# KiCad board poly_kb_wave_left2.kicad_pcb (continued)
## Placement (name value [footprint] x y rotation side) (continued)
kibuzzard-639C35A2  G***  [kibuzzard-639C35A2]  23.09 67.09 180 bottom
kibuzzard-639C35AF  G***  [kibuzzard-639C35AF]  47.09 66.97 180 bottom
kibuzzard-639C35B8  G***  [kibuzzard-639C35B8]  66.09 69.25 180 bottom
kibuzzard-639C35C3  G***  [kibuzzard-639C35C3]  85.09 71.7 180 bottom
kibuzzard-639C35CB  G***  [kibuzzard-639C35CB]  104.09 69.38 180 bottom
kibuzzard-639C35DA  G***  [kibuzzard-639C35DA]  123.09 66.84 180 bottom
kibuzzard-639C35E7  G***  [kibuzzard-639C35E7]  142.09 67.2 180 bottom
kibuzzard-639C35FE  G***  [kibuzzard-639C35FE]  28.09 28.7 180 bottom
kibuzzard-639C36A9  G***  [kibuzzard-639C36A9]  157.09 13.7 180 bottom
kibuzzard-639C36B3  G***  [kibuzzard-639C36B3]  162.75 28.99 180 bottom
kibuzzard-639C39A5  G***  [kibuzzard-639C39A5]  3.51 45.17 163 bottom
kibuzzard-639C294B  G***  [kibuzzard-639C294B]  154.01 92.06 163 bottom
kibuzzard-639C352E  G***  [kibuzzard-639C352E]  123.09 105.19 180 bottom
kibuzzard-639C353A  G***  [kibuzzard-639C353A]  142.09 105.2 180 bottom
kibuzzard-639C355D  G***  [kibuzzard-639C355D]  66.09 88.2 180 bottom
kibuzzard-639C357F  G***  [kibuzzard-639C357F]  104.09 88.43 180 bottom
kibuzzard-639C358A  G***  [kibuzzard-639C358A]  123.09 86.14 180 bottom
kibuzzard-639C360B  G***  [kibuzzard-639C360B]  23.09 47.7 180 bottom
kibuzzard-639C361C  G***  [kibuzzard-639C361C]  47.09 47.7 180 bottom
kibuzzard-639C362D  G***  [kibuzzard-639C362D]  85.09 52.7 180 bottom
kibuzzard-639C368F  G***  [kibuzzard-639C368F]  115.59 23.7 180 bottom
kibuzzard-639C369E  G***  [kibuzzard-639C369E]  137.09 19.7 180 bottom
kibuzzard-639C2997  G***  [kibuzzard-639C2997]  3.87 65.38 163 bottom
kibuzzard-639C3508  G***  [kibuzzard-639C3508]  66.09 107.48 180 bottom
kibuzzard-639C3514  G***  [kibuzzard-639C3514]  85.09 109.89 180 bottom
kibuzzard-639C3522  G***  [kibuzzard-639C3522]  104.09 107.2 180 bottom
kibuzzard-639C3548  G***  [kibuzzard-639C3548]  23.09 86.14 180 bottom
kibuzzard-639C3550  G***  [kibuzzard-639C3550]  47.09 86.02 180 bottom
kibuzzard-639C3575  G***  [kibuzzard-639C3575]  85.09 90.72 180 bottom
kibuzzard-639C3594  G***  [kibuzzard-639C3594]  142.09 86.2 180 bottom
kibuzzard-639C3625  G***  [kibuzzard-639C3625]  66.09 50.2 180 bottom
kibuzzard-639C3638  G***  [kibuzzard-639C3638]  104.09 50.2 180 bottom
kibuzzard-639C3642  G***  [kibuzzard-639C3642]  123.59 47.92 180 bottom
kibuzzard-639C3653  G***  [kibuzzard-639C3653]  142.5 41.43 180 bottom
kibuzzard-639C3683  G***  [kibuzzard-639C3683]  85.09 33.7 180 bottom
kibuzzard-639C3695  G***  [kibuzzard-639C3695]  66.09 31.2 180 bottom
L1  4.7uH  [MCS0530-4R7MN2]  177.09 102.19 270 bottom
L2  4.7uH  [MCS0530-4R7MN2]  176.96 111.74 270 bottom
LED1  WS2812B-Mini  [WS2812B-Mini-Rev2]  19.09 116.43 0 top
LED2  WS2812B-Mini  [WS2812B-Mini-Rev2]  42.9 116.43 0 top
LED3  WS2812B-Mini  [WS2812B-Mini-Rev2]  61.95 118.81 0 top
LED4  WS2812B-Mini  [WS2812B-Mini-Rev2]  81 121.19 0 top
LED5  WS2812B-Mini  [WS2812B-Mini-Rev2]  100.05 118.81 0 top
LED6  WS2812B-Mini  [WS2812B-Mini-Rev2]  119.1 116.43 0 top
LED7  WS2812B-Mini  [WS2812B-Mini-Rev2]  138.15 116.43 0 top
LED8  WS2812B-Mini  [WS2812B-Mini-Rev2]  19.09 97.38 0 top
LED9  WS2812B-Mini  [WS2812B-Mini-Rev2]  42.9 97.38 0 top
LED10  WS2812B-Mini  [WS2812B-Mini-Rev2]  61.95 99.76 0 top
LED11  WS2812B-Mini  [WS2812B-Mini-Rev2]  81 102.14 0 top
LED12  WS2812B-Mini  [WS2812B-Mini-Rev2]  100.05 99.76 0 top
LED13  WS2812B-Mini  [WS2812B-Mini-Rev2]  119.1 97.38 0 top
LED14  WS2812B-Mini  [WS2812B-Mini-Rev2]  138.15 97.38 0 top
LED15  WS2812B-Mini  [WS2812B-Mini-Rev2]  19.09 78.33 0 top
LED16  WS2812B-Mini  [WS2812B-Mini-Rev2]  42.9 78.33 0 top
LED17  WS2812B-Mini  [WS2812B-Mini-Rev2]  61.95 80.71 0 top
LED18  WS2812B-Mini  [WS2812B-Mini-Rev2]  81 83.09 0 top
LED19  WS2812B-Mini  [WS2812B-Mini-Rev2]  100.05 80.71 0 top
LED20  WS2812B-Mini  [WS2812B-Mini-Rev2]  119.1 78.33 0 top
LED21  WS2812B-Mini  [WS2812B-Mini-Rev2]  138.15 78.33 0 top
LED22  WS2812B-Mini  [WS2812B-Mini-Rev2]  19.09 59.28 0 top
LED23  WS2812B-Mini  [WS2812B-Mini-Rev2]  42.9 59.28 0 top
LED24  WS2812B-Mini  [WS2812B-Mini-Rev2]  61.95 61.66 0 top
LED25  WS2812B-Mini  [WS2812B-Mini-Rev2]  81 64.04 0 top
LED26  WS2812B-Mini  [WS2812B-Mini-Rev2]  100.05 61.66 0 top
LED27  WS2812B-Mini  [WS2812B-Mini-Rev2]  119.1 59.28 0 top
LED28  WS2812B-Mini  [WS2812B-Mini-Rev2]  141.55 53.35 346.5 top
LED29  WS2812B-Mini  [WS2812B-Mini-Rev2]  165.94 46.07 340 top
LED30  WS2812B-Mini  [WS2812B-Mini-Rev2]  23.85 40.23 0 top
LED31  WS2812B-Mini  [WS2812B-Mini-Rev2]  42.9 40.23 0 top
LED32  WS2812B-Mini  [WS2812B-Mini-Rev2]  61.95 42.61 0 top
LED33  WS2812B-Mini  [WS2812B-Mini-Rev2]  81 44.99 0 top
LED34  WS2812B-Mini  [WS2812B-Mini-Rev2]  112.11 35.37 355 top
LED35  WS2812B-Mini  [WS2812B-Mini-Rev2]  135.85 31.64 346.5 top
LED36  WS2812B-Mini  [WS2812B-Mini-Rev2]  157.86 25.41 340 top
R1  22 0603  [R_0603_1608Metric]  152.99 116.8 90 bottom
R1_1  10k 0402  [R_0402_1005Metric]  26.77 115.22 90 bottom
R1_2  10k 0402  [R_0402_1005Metric]  50.58 115.22 90 bottom
R1_3  10k 0402  [R_0402_1005Metric]  69.63 117.61 90 bottom
R1_4  10k 0402  [R_0402_1005Metric]  88.68 119.99 90 bottom
R1_5  10k 0402  [R_0402_1005Metric]  107.73 117.61 90 bottom
R1_6  10k 0402  [R_0402_1005Metric]  126.78 115.22 90 bottom
R1_7  10k 0402  [R_0402_1005Metric]  145.83 115.22 90 bottom
R1_8  10k 0402  [R_0402_1005Metric]  26.77 96.17 90 bottom
R1_9  10k 0402  [R_0402_1005Metric]  50.58 96.17 90 bottom
R1_10  10k 0402  [R_0402_1005Metric]  69.63 98.56 90 bottom
R1_11  10k 0402  [R_0402_1005Metric]  88.68 100.94 90 bottom
R1_12  10k 0402  [R_0402_1005Metric]  107.73 98.56 90 bottom
R1_13  10k 0402  [R_0402_1005Metric]  126.78 96.17 90 bottom
R1_14  10k 0402  [R_0402_1005Metric]  145.83 96.17 90 bottom
R1_15  10k 0402  [R_0402_1005Metric]  26.77 77.12 90 bottom
R1_16  10k 0402  [R_0402_1005Metric]  50.58 77.12 90 bottom
R1_17  10k 0402  [R_0402_1005Metric]  69.63 79.51 90 bottom
R1_18  10k 0402  [R_0402_1005Metric]  88.68 81.89 90 bottom
R1_19  10k 0402  [R_0402_1005Metric]  107.73 79.51 90 bottom
R1_20  10k 0402  [R_0402_1005Metric]  126.78 77.12 90 bottom
R1_21  10k 0402  [R_0402_1005Metric]  145.83 77.12 90 bottom
R1_22  10k 0402  [R_0402_1005Metric]  26.77 58.07 90 bottom
R1_23  10k 0402  [R_0402_1005Metric]  50.58 58.07 90 bottom
R1_24  10k 0402  [R_0402_1005Metric]  69.63 60.46 90 bottom
R1_25  10k 0402  [R_0402_1005Metric]  88.68 62.84 90 bottom
R1_26  10k 0402  [R_0402_1005Metric]  107.73 60.46 90 bottom
R1_27  10k 0402  [R_0402_1005Metric]  126.78 58.07 90 bottom
R1_28  10k 0402  [R_0402_1005Metric]  148.74 50.39 76.5 bottom
R1_29  10k 0402  [R_0402_1005Metric]  172.75 42.31 70 bottom
R1_30  10k 0402  [R_0402_1005Metric]  31.53 39.02 90 bottom
R1_31  10k 0402  [R_0402_1005Metric]  50.58 39.02 90 bottom
R1_32  10k 0402  [R_0402_1005Metric]  69.63 41.41 90 bottom
R1_33  10k 0402  [R_0402_1005Metric]  88.68 43.79 90 bottom
R1_34  10k 0402  [R_0402_1005Metric]  119.66 33.5 85 bottom
R1_35  10k 0402  [R_0402_1005Metric]  143.04 28.67 76.5 bottom
R1_36  10k 0402  [R_0402_1005Metric]  164.66 21.65 70 bottom
R2  22 0603  [R_0603_1608Metric]  150.19 116.8 90 bottom
R3  5.1K 0402  [R_0402_1005Metric]  168.19 85.93 90 bottom
R4  5.1K 0402  [R_0402_1005Metric]  169.4 85.93 90 bottom
R5  1k 0603  [R_0603_1608Metric]  175.42 81.8 0 bottom
R6  1k 0603  [R_0603_1608Metric]  177.84 85.8 90 top
R7  5.1K 0402  [R_0402_1005Metric]  158.9 121.92 0 top
R8  5.6K 0402  [R_0402_1005Metric]  154.34 110 270 bottom
R9  5.1K 0402  [R_0402_1005Metric]  163.6 121.92 180 top
R10  390k 0603  [R_0603_1608Metric]  175.05 98.51 180 top
R11  390k 0603  [R_0603_1608Metric]  178.1 100.03 180 top
R12  150k 0603  [R_0603_1608Metric]  173.4 102.06 0 top
R13  22k 0603  [R_0603_1608Metric]  178.9 93.67 0 bottom
R14  680k 0603  [R_0603_1608Metric]  176.76 110.15 270 top
R15  10K 0402  [R_0402_1005Metric]  155.34 110.01 90 bottom
R16  1k 0603  [R_0603_1608Metric]  169 120.43 90 top
R17  150k 0603  [R_0603_1608Metric]  179.76 110.15 270 top
R18  10M 0603  [R_0603_1608Metric]  171.94 114.6 180 bottom
R19  1k 0603  [R_0603_1608Metric]  161.24 95.2 90 bottom
R20  10K 0402  [R_0402_1005Metric]  166.29 116.24 270 bottom
R21  1K 0402  [R_0402_1005Metric]  167.34 116.24 90 bottom
R22  27 0603  [R_0603_1608Metric]  161.25 111.05 270 bottom
R23  27 0603  [R_0603_1608Metric]  159.75 111.05 270 bottom
R24  2M2 0603  [R_0603_1608Metric]  171.89 116.5 0 bottom
R25  5.1K 0402  [R_0402_1005Metric]  179.21 95.49 0 bottom
R30  390k 0603 1%  [R_0603_1608Metric]  171.44 82.5 0 bottom
SW1  RotaryEncoder_Switch  [PolyJog]  161.79 62.65 70 top
SW2  EVQPUC02K  [Panasonic_EVQPUL_EVQPUC]  2.22 76.41 270 bottom
SW3  EVQPUC02K  [Panasonic_EVQPUL_EVQPUC]  2.22 84.21 270 bottom
SW_K_1  Kailh CPG151101S11-16  [Kailh_socket_MX_Indicators]  19.09 107.54 0 top
SW_K_2  Kailh CPG151101S11-16  [Kailh_socket_MX_Indicators]  42.9 107.54 0 top
SW_K_3  Kailh CPG151101S11-16  [Kailh_socket_MX_Indicators]  61.95 109.92 0 top
SW_K_4  Kailh CPG151101S11-16  [Kailh_socket_MX_Indicators]  81 112.3 0 top
SW_K_5  Kailh CPG151101S11-16  [Kailh_socket_MX_Indicators]  100.05 109.92 0 top
SW_K_6  Kailh CPG151101S11-16  [Kailh_socket_MX_Indicators]  119.1 107.54 0 top
SW_K_7  Kailh CPG151101S11-16  [Kailh_socket_MX_Indicators]  138.15 107.54 0 top
SW_K_8  Kailh CPG151101S11-16  [Kailh_socket_MX_Indicators]  19.09 88.49 0 top
SW_K_9  Kailh CPG151101S11-16  [Kailh_socket_MX_Indicators]  42.9 88.49 0 top
SW_K_10  Kailh CPG151101S11-16  [Kailh_socket_MX_Indicators]  61.95 90.87 0 top
SW_K_11  Kailh CPG151101S11-16  [Kailh_socket_MX_Indicators]  81 93.25 0 top
SW_K_12  Kailh CPG151101S11-16  [Kailh_socket_MX_Indicators]  100.05 90.87 0 top
SW_K_13  Kailh CPG151101S11-16  [Kailh_socket_MX_Indicators]  119.1 88.49 0 top
SW_K_14  Kailh CPG151101S11-16  [Kailh_socket_MX_Indicators]  138.15 88.49 0 top
SW_K_15  Kailh CPG151101S11-16  [Kailh_socket_MX_Indicators]  19.09 69.44 0 top
SW_K_16  Kailh CPG151101S11-16  [Kailh_socket_MX_Indicators]  42.9 69.44 0 top
SW_K_17  Kailh CPG151101S11-16  [Kailh_socket_MX_Indicators]  61.95 71.82 0 top
SW_K_18  Kailh CPG151101S11-16  [Kailh_socket_MX_Indicators]  81 74.2 0 top
SW_K_19  Kailh CPG151101S11-16  [Kailh_socket_MX_Indicators]  100.05 71.82 0 top
SW_K_20  Kailh CPG151101S11-16  [Kailh_socket_MX_Indicators]  119.1 69.44 0 top
SW_K_21  Kailh CPG151101S11-16  [Kailh_socket_MX_Indicators]  138.15 69.44 0 top
SW_K_22  Kailh CPG151101S11-16  [Kailh_socket_MX_Indicators]  19.09 50.39 0 top
SW_K_23  Kailh CPG151101S11-16  [Kailh_socket_MX_Indicators]  42.9 50.39 0 top
SW_K_24  Kailh CPG151101S11-16  [Kailh_socket_MX_Indicators]  61.95 52.77 0 top
SW_K_25  Kailh CPG151101S11-16  [Kailh_socket_MX_Indicators]  81 55.15 0 top
SW_K_26  Kailh CPG151101S11-16  [Kailh_socket_MX_Indicators]  100.05 52.77 0 top
SW_K_27  Kailh CPG151101S11-16  [Kailh_socket_MX_Indicators]  119.1 50.39 0 top
SW_K_28  Kailh CPG151101S11-16  [Kailh_socket_MX_Indicators]  139.48 44.71 346.5 top
SW_K_29  Kailh CPG151101S11-16  [Kailh_socket_MX_Indicators]  162.9 37.71 340 top
SW_K_30  Kailh CPG151101S11-16  [Kailh_socket_MX_Indicators]  23.85 31.34 0 top
SW_K_31  Kailh CPG151101S11-16  [Kailh_socket_MX_Indicators]  42.9 31.34 0 top
SW_K_32  Kailh CPG151101S11-16  [Kailh_socket_MX_Indicators]  61.95 33.72 0 top
SW_K_33  Kailh CPG151101S11-16  [Kailh_socket_MX_Indicators]  81 36.1 0 top
SW_K_34  Kailh CPG151101S11-16  [Kailh_socket_MX_Indicators]  111.33 26.51 355 top
SW_K_35  Kailh CPG151101S11-16  [Kailh_socket_MX_Indicators]  133.77 23 346.5 top
SW_K_36  Kailh CPG151101S11-16  [Kailh_socket_MX_Indicators]  154.82 17.05 340 top
TP1  USB_D-  [TestPoint_Pad_D1.5mm]  158.93 113.84 180 bottom
TP14  USB_D+  [TestPoint_Pad_D1.5mm]  156.28 113.84 180 bottom
U1  TD6811  [TSOT-23-5]  177.08 113.9 180 top
U2  TD6811  [TSOT-23-5]  177.09 102.95 180 top
U3  MT9700  [SOT-23-5]  176.87 93.54 90 top
U4  74HC595BQ  [Nexperia 74HC595BQ DHVQFN16]  30.35 104.24 0 bottom
U5  74HC595BQ  [Nexperia 74HC595BQ DHVQFN16]  30.39 85.05 0 bottom
U6  74HC595BQ  [Nexperia 74HC595BQ DHVQFN16]  30.35 65.42 0 bottom
U7  74HC595BQ  [Nexperia 74HC595BQ DHVQFN16]  79.17 23.3 270 bottom
U8  74HC595BQ  [Nexperia 74HC595BQ DHVQFN16]  89.26 23.3 270 bottom
U9  W25Q64JVXGIQ  [SON80P400X400X50-9N]  165.8 111.8 180 bottom
U10  RP2040  [RP2040-QFN-56]  161.75 104.35 180 bottom
U11  TPD4E05U06DQAR  [USON-10]  161.03 116.18 90 bottom
U12  SN74LVC1G126DBVR  [SOT-353_SC-70-5]  50.24 121.55 180 bottom
U13  SN74LVC1G126DBVR  [SOT-353_SC-70-5]  33.29 120.8 180 bottom
U14  SN74LVC1G126DBVR  [SOT-353_SC-70-5]  27.99 120.8 180 bottom
U15  SN74LVC1G126DBVR  [SOT-353_SC-70-5]  7.24 107.8 180 bottom
U16  SN74LVC1G126DBVR  [SOT-353_SC-70-5]  69.54 123.85 180 bottom
U17  SN74LVC1G126DBVR  [SOT-353_SC-70-5]  54.14 122.5 180 bottom
U18  SN74LVC1G126DBVR  [SOT-353_SC-70-5]  111.74 124.8 180 bottom
U19  SN74LVC1G126DBVR  [SOT-353_SC-70-5]  73.44 124.85 0 bottom
U20  SN74LVC1G126DBVR  [SOT-353_SC-70-5]  111.74 121.9 180 bottom
U21  SN74LVC1G126DBVR  [SOT-353_SC-70-5]  108.09 123.95 180 bottom
U22  SN74LVC1G126DBVR  [SOT-353_SC-70-5]  129.89 121.9 180 bottom
U23  SN74LVC1G126DBVR  [SOT-353_SC-70-5]  126.54 121.9 180 bottom
U24  SN74LVC1G126DBVR  [SOT-353_SC-70-5]  145.59 122.15 180 bottom
U25  SN74LVC1G126DBVR  [SOT-353_SC-70-5]  148.94 122.15 180 bottom
USB1  TYPE-C-31-M-12  [HRO-TYPE-C-31-M-12-Assembly]  161 127.14 0 bottom
USB2  TYPE-C-31-M-12  [HRO-TYPE-C-31-M-12-Assembly]  182.95 72.05 270 bottom
Y1  TAXM12M4RFBCCT2T  [Crystal_SMD_3225-4Pin_3.2x2.5mm]  164.2 94.97 0 bottom

## Library data of the parts
C1_1-C1_36 = -: Description: Unpolarized capacitor, small symbol; MPN: C99227
C2 C3_1-C3_36 C5_1-C5_36 C6_1-C6_36 C24 C25 C30-C32 = -: Description: Unpolarized capacitor, small symbol; MPN: C52923
C2_1-C2_36 = -: Description: Unpolarized capacitor, small symbol; MPN: C23630
C3 C8 = -: Description: Unpolarized capacitor, small symbol; MPN: C1557
C4 C6 C10 C12-C14 C26 = -: Description: Unpolarized capacitor, small symbol; MPN: C15850
C4_1-C4_36 C33 C34 = -: Description: Polarized capacitor, small symbol; MPN: C129569
C5 C11 = -: Description: Unpolarized capacitor, small symbol; MPN: C1653
C9 C15-C23 = -: Description: Unpolarized capacitor, small symbol; MPN: C1525
D1 = -: Description: Light emitting diode, small symbol; MPN: C84256
D1_1-D1_36 D12 = -: Description: Diode, small symbol; MPN: C2128
D2 = -: Description: 200W unidirectional Transil Transient Voltage Suppressor, 6Vrwm, SMF; MPN: C502546
D5 = -: Description: Light emitting diode, small symbol; MPN: C2297
D6 = -: Description: Light emitting diode, small symbol; MPN: C2296
DBG1 = -: Description: Generic connector, single row, 01x03, script generated (kicad-library-utils/schlib/autogen/connector/)
DBG3 = -: Description: Generic connector, single row, 01x10, script generated (kicad-library-utils/schlib/autogen/connector/)
F1 = -: Description: Fuse; MPN: C207081
FB1 FB2 = -: Description: Ferrite bead, small symbol; MPN: C1017
H1-H9 = -: Description: Mounting Hole with connection
J1-J36 = -: Description: Generic connector, single row, 01x14, script generated (kicad-library-utils/schlib/autogen/connector/); MPN: C324724
J37 = -: Description: Generic connector, single row, 01x12, script generated (kicad-library-utils/schlib/autogen/connector/); MPN: C424659
J38 = -: Description: Generic connector, single row, 01x05, script generated (kicad-library-utils/schlib/autogen/connector/)
J39 = -: Description: Generic connector, single row, 01x30, script generated (kicad-library-utils/schlib/autogen/connector/); MPN: C506793
JP1 = -: Description: 3-pole Solder Jumper, pins 1+2 closed/bridged
L1 L2 = -: Description: Inductor; MPN: C2836880
LED1-LED36 = -: Description: RGB LED with integrated controller; MPN: C527089
R1 R2 = -: Description: Resistor, small symbol; MPN: C23345
R1_1-R1_36 = -: Description: Resistor, small symbol; MPN: C25744
R3 R4 R7 R9 R25 = -: Description: Resistor, small symbol; MPN: C25905
R5 R6 R16 R19 = -: Description: Resistor, small symbol; MPN: C21190
R8 = -: Description: Resistor; MPN: C25908
R10 R11 R30 = -: Description: Resistor, small symbol; MPN: C23150
R12 R17 = -: Description: Resistor, small symbol; MPN: C22807
R13 = -: Description: Resistor, small symbol; MPN: C31850
R14 = -: Description: Resistor, small symbol; MPN: C25822
R15 R20 = -: Description: Resistor; MPN: C25744
R18 = -: Description: Resistor, small symbol; MPN: C7250
R21 = -: Description: Resistor; MPN: C11702
R22 R23 = -: Description: Resistor, small symbol; MPN: C25190
R24 = -: Description: Resistor, small symbol; MPN: C22938
SW1 = -: Description: Rotary encoder, dual channel, incremental quadrate outputs, with switch
SW2 SW3 = -: Description: Push button switch, generic, two pins; MPN: C79174
SW_K_1-SW_K_36 = -: Description: Push button switch, generic, two pins; Etc: C5156480
TP1 TP14 = -: Description: test point (alternative flag-style design)
U1 U2 = -: MPN: C189486
U3 = -: MPN: C89855
U4-U8 = -: Description: 8-bit serial in/out Shift Register 3-State Outputs; MPN: C3303719
U9 = -: Description: 64M-bit Serial Flash Memory with uniform 4KB sectors and Dual/Quad SPI; MPN: C2940195
U10 = -: MPN: C2040
U11 = -: MPN: C2836386
U12-U25 = -: Description: 1-Bit Unidirectional Voltage-Level Translator, SC-70; MPN: C151890
USB1 USB2 = -: MPN: C165948
Y1 = -: Description: Four pin crystal, GND on pins 2 and 4; MPN: C133337

## Footprints (pads in the part's own frame, mm; a bottom-side part is the same pattern mirrored in y, then rotated)
C_0402_1005Metric
  rrect 0.56x0.62 smd: 1(-0.48,0) 2(0.48,0)
C_0603_1608Metric
  rrect 0.9x0.95 smd: 1(-0.775,0) 2(0.775,0)
C_0805_2012Metric
  rrect 1x1.45 smd: 1(-0.95,0) 2(0.95,0)
CP_EIA-3216-18_Kemet-A
  rrect 1.4x1.35 smd: 1(-1.35,0) 2(1.35,0)
Crystal_SMD_3225-4Pin_3.2x2.5mm
  rect 1.4x1.2 smd: 1(-1.1,-0.85) 2(1.1,-0.85) 3(1.1,0.85) 4(-1.1,0.85)
D_SOD-323Ext
  rect 0.8x0.6 smd: 1(-1.05,0) 2(1.05,0)
D_SOD-523
  rect 0.6x0.7 smd: 1(-0.7,0) 2(0.7,0)
FH34SRJ12S05SH50-Rev2
  rect 0.3x0.8 smd: 1(-2.75,1.525) 2(-2.25,1.525) 3(-1.75,1.525) 4(-1.25,1.525) 5(-0.75,1.525) 6(-0.25,1.525) 7(0.25,1.525) 8(0.75,1.525) 9(1.25,1.525) 10(1.75,1.525) 11(2.25,1.525) 12(2.75,1.525)
  rect 0.4x0.8 smd: MP1(-3.75,-0.975) MP2(3.75,-0.975)
FH34SRJ14S05SH50-Rev2
  rect 0.3x0.8 smd: 1(-3.25,1.525) 2(-2.75,1.525) 3(-2.25,1.525) 4(-1.75,1.525) 5(-1.25,1.525) 6(-0.75,1.525) 7(-0.25,1.525) 8(0.25,1.525) 9(0.75,1.525) 10(1.25,1.525) 11(1.75,1.525) 12(2.25,1.525) 13(2.75,1.525) 14(3.25,1.525)
  rect 0.4x0.8 smd: MP1(4.25,-0.975) MP2(-4.25,-0.975)
FH34SRJ14S05SH50-Rev2#2
  rect 0.3x0.8 smd: 1(-3.25,1.525) 2(-2.75,1.525) 3(-2.25,1.525) 4(-1.75,1.525) 5(-1.25,1.525) 6(-0.75,1.525) 7(-0.25,1.525) 8(0.25,1.525) 9(0.75,1.525) 10(1.25,1.525) 11(1.75,1.525) 12(2.25,1.525) 13(2.75,1.525) 14(3.25,1.525)
  rect 0.4x0.8 smd: MP1(4.25,-0.975) MP2(-4.25,-0.975)
FH34SRJ14S05SH50-Rev2#3
  rect 0.3x0.8 smd: 1(-3.25,1.525) 2(-2.75,1.525) 3(-2.25,1.525) 4(-1.75,1.525) 5(-1.25,1.525) 6(-0.75,1.525) 7(-0.25,1.525) 8(0.25,1.525) 9(0.75,1.525) 10(1.25,1.525) 11(1.75,1.525) 12(2.25,1.525) 13(2.75,1.525) 14(3.25,1.525)
  rect 0.4x0.8 smd: MP1(4.25,-0.975) MP2(-4.25,-0.975)
Fuse_2920_7451Metric
  rrect 1.925x5.45 smd: 1(-3.388,0) 2(3.388,0)
Hirose_FH12-30S-0.5SH_1x30-1MP_P0.50mm_Horizontal
  rect 0.3x1.3 smd: 1(-7.25,1.85) 2(-6.75,1.85) 3(-6.25,1.85) 4(-5.75,1.85) 5(-5.25,1.85) 6(-4.75,1.85) 7(-4.25,1.85) 8(-3.75,1.85) 9(-3.25,1.85) 10(-2.75,1.85) 11(-2.25,1.85) 12(-1.75,1.85) 13(-1.25,1.85) 14(-0.75,1.85) 15(-0.25,1.85) 16(0.25,1.85) 17(0.75,1.85) 18(1.25,1.85) 19(1.75,1.85) 20(2.25,1.85) 21(2.75,1.85) 22(3.25,1.85) 23(3.75,1.85) 24(4.25,1.85) 25(4.75,1.85) 26(5.25,1.85) 27(5.75,1.85) 28(6.25,1.85) 29(6.75,1.85) 30(7.25,1.85)
  rect 1.8x2.2 smd: MP(-9.15,-1.4) MP(9.15,-1.4)
HRO-TYPE-C-31-M-12-Assembly
  round 0.65 hole 0.65 unplated: (-2.89,6.25) (2.89,6.25)
  rect 0.6x1.45 smd: 1(-3.225,7.695) 2(-2.45,7.695) 11(2.45,7.695) 12(3.225,7.695)
  rect 0.3x1.45 smd: 3(-1.75,7.695) 4(-1.25,7.695) 5(-0.75,7.695) 6(-0.25,7.695) 7(0.25,7.695) 8(0.75,7.695) 9(1.25,7.695) 10(1.75,7.695)
  oval 1x1.6 hole 0.6x1.2: 13(-4.32,2.6) 13(4.32,2.6)
  oval 1x2.1 hole 0.6x1.7: 13(-4.32,6.78) 13(4.32,6.78)
Kailh_socket_MX_Indicators
  round 1.702 hole 1.702 unplated: (-5.08,0) (5.08,0)
  round 3 hole 3 unplated: (-3.81,2.54) (2.54,5.08)
  round 3.988 hole 3.988 unplated: (0,0)
  rect 2.55x2.5 smd far side: 1(6.29,5.08) 2(-7.56,2.54)
L_0805_2012Metric
  rrect 0.875x1.2 smd: 1(-1.062,0) 2(1.062,0)
LED_0805_2012Metric
  rrect 0.975x1.4 smd: 1(-0.938,0) 2(0.938,0)
MCS0530-4R7MN2
  rect 1.4x2.5 smd: 1(-2.4,0) 2(2.4,0)
MountingHole_3mm_Pad_Via
  round 0.8 hole 0.5: 1(-2.25,0) 1(-1.591,1.591) 1(-1.591,-1.591) 1(0,2.25) 1(0,-2.25) 1(1.591,1.591) 1(1.591,-1.591) 1(2.25,0)
  round 6 hole 3: 1(0,0)
Nexperia 74HC595BQ DHVQFN16
  rect 0.254x0.5 smd: 1(-0.25,1.562) 8(-0.25,-1.562) 9(0.25,-1.562) 16(0.25,1.562)
  rect 0.5x0.254 smd: 2(-1.062,1.25) 3(-1.062,0.75) 4(-1.062,0.25) 5(-1.062,-0.25) 6(-1.062,-0.75) 7(-1.062,-1.25) 10(1.062,-1.25) 11(1.062,-0.75) 12(1.062,-0.25) 13(1.062,0.25) 14(1.062,0.75) 15(1.062,1.25)
  rect 1x2 smd: 17(0,0)
Panasonic_EVQPUL_EVQPUC
  round 0.75 hole 0.75 unplated: (0,-1.375) (0,1.375)
  rect 1.55x1 smd: 1(-2.625,0.85) 1(2.625,0.85) 2(-2.625,-0.85) 2(2.625,-0.85)
PinHeader_1x03_P2.54mm_Vertical
  rect 1.7x1.7 hole 1: 1(0,0)
  oval 1.7x1.7 hole 1: 2(0,-2.54) 3(0,-5.08)
PinHeader_1x05_P2.54mm_Vertical
  rect 1.7x1.7 hole 1: 1(0,0)
  oval 1.7x1.7 hole 1: 2(0,-2.54) 3(0,-5.08) 4(0,-7.62) 5(0,-10.16)
PinHeader_1x10_P2.54mm_Vertical
  rect 1.7x1.7 hole 1: 1(0,0)
  oval 1.7x1.7 hole 1: 2(0,-2.54) 3(0,-5.08) 4(0,-7.62) 5(0,-10.16) 6(0,-12.7) 7(0,-15.24) 8(0,-17.78) 9(0,-20.32) 10(0,-22.86)
PolyJog
  oval 2.4x3.6 hole 1.5x2.8 unplated: (-6.725,-2.188) (4.475,-2.188)
  round 1.6 hole 1.6 unplated: (-6.21,5.85)
  round 2 hole 1: A(-3.67,5.85) A(3.95,5.85) B(1.41,5.85) C(-1.13,5.85) S1(-3.658,-9.703) S2(1.342,-9.703)
  round 1.524 hole 0.762: S1(6.95,7.5)
  oval 1.524x1.524 hole 0.762: S2(6.95,5.5)
R_0402_1005Metric
  rrect 0.54x0.64 smd: 1(-0.51,0) 2(0.51,0)
R_0603_1608Metric
  rrect 0.8x0.95 smd: 1(-0.825,0) 2(0.825,0)
RP2040-QFN-56
  rrect 1.084x1.084 smd: (-0.637,-0.637) (-0.637,0.637) (0.637,-0.637) (0.637,0.637)
  rrect 0.875x0.2 smd: 1(-3.438,2.6) 2(-3.438,2.2) 3(-3.438,1.8) 4(-3.438,1.4) 5(-3.438,1) 6(-3.438,0.6) 7(-3.438,0.2) 8(-3.438,-0.2) 9(-3.438,-0.6) 10(-3.438,-1) 11(-3.438,-1.4) 12(-3.438,-1.8) 13(-3.438,-2.2) 14(-3.438,-2.6) 29(3.438,-2.6) 30(3.438,-2.2) 31(3.438,-1.8) 32(3.438,-1.4) 33(3.438,-1) 34(3.438,-0.6) 35(3.438,-0.2) 36(3.438,0.2) 37(3.438,0.6) 38(3.438,1) 39(3.438,1.4) 40(3.438,1.8) 41(3.438,2.2) 42(3.438,2.6)
  rrect 0.2x0.875 smd: 15(-2.6,-3.438) 16(-2.2,-3.438) 17(-1.8,-3.438) 18(-1.4,-3.438) 19(-1,-3.438) 20(-0.6,-3.438) 21(-0.2,-3.438) 22(0.2,-3.438) 23(0.6,-3.438) 24(1,-3.438) 25(1.4,-3.438) 26(1.8,-3.438) 27(2.2,-3.438) 28(2.6,-3.438) 43(2.6,3.438) 44(2.2,3.438) 45(1.8,3.438) 46(1.4,3.438) 47(1,3.438) 48(0.6,3.438) 49(0.2,3.438) 50(-0.2,3.438) 51(-0.6,3.438) 52(-1,3.438) 53(-1.4,3.438) 54(-1.8,3.438) 55(-2.2,3.438) 56(-2.6,3.438)
  round 0.6 hole 0.35: 57(-1.275,-1.275) 57(-1.275,0) 57(-1.275,1.275) 57(0,-1.275) 57(0,0) 57(0,1.275) 57(1.275,-1.275) 57(1.275,0) 57(1.275,1.275)
  rrect 3.2x3.2 smd: 57(0,0)
SolderJumper-3_P1.3mm_Bridged12_RoundedPad1.0x1.5mm
  custom 1.05x1.5 smd: 1(-1.3,0) 3(1.3,0)
  rect 1x1.5 smd: 2(0,0)
SON80P400X400X50-9N
  rect 0.85x0.35 smd: 1(-1.95,1.2) 2(-1.95,0.4) 3(-1.95,-0.4) 4(-1.95,-1.2) 5(1.95,-1.2) 6(1.95,-0.4) 7(1.95,0.4) 8(1.95,1.2)
  rect 2.4x3.1 smd: 9(0,0)
SOT-23-5
  rrect 1.325x0.6 smd: 1(-1.137,0.95) 2(-1.137,0) 3(-1.137,-0.95) 4(1.137,-0.95) 5(1.137,0.95)
SOT-353_SC-70-5
  rect 0.65x0.4 smd: 1(-0.95,0.65) 2(-0.95,0) 3(-0.95,-0.65) 4(0.95,-0.65) 5(0.95,0.65)
TestPoint_Pad_D1.5mm
  round 1.5 smd: 1(0,0)
TSOT-23-5
  rrect 1.325x0.6 smd: 1(-1.137,0.95) 2(-1.137,0) 3(-1.137,-0.95) 4(1.137,-0.95) 5(1.137,0.95)
USON-10
  rect 0.55x0.3 smd: 1(-0.381,1.001) 2(-0.381,0.501) 4(-0.381,-0.499) 5(-0.381,-0.999) 6(0.389,-0.999) 7(0.389,-0.499) 9(0.389,0.501) 10(0.389,1.001)
  rect 0.55x0.4 smd: 3(-0.381,0.001) 8(0.389,0.001)
WS2812B-Mini-Rev2
  rect 1.5x0.951 smd: 1(-1.64,0.89)
  rect 1.5x0.95 smd: 2(-1.64,-0.89) 3(1.64,-0.89) 4(1.64,0.89)

## Nets
+1V1: C15.1 C16.1 C25.1 U10.23 U10.45 U10.50
/K_1/VCC: C1_2.1 J2.14
/K_2/VCC: C1_3.1 J3.14
/K_3/VCC: C1_4.1 J4.14
/K_4/VCC: C1_5.1 J5.14
/K_5/VCC: C1_6.1 J6.14
/K_A/VCC: C1_16.1 J16.14
/K_B1/VCC: C1_30.1 J30.14
/K_B2/VCC: C1_31.1 J31.14
/K_B3/VCC: C1_32.1 J32.14
/K_B4/VCC: C1_33.1 J33.14
/K_B5/VCC: C1_34.1 J34.14
/K_B6/VCC: C1_35.1 J35.14
/K_B7/VCC: C1_36.1 J36.14
/K_B8/VCC: C1_29.1 J29.14
/K_B/VCC: C1_27.1 J27.14
/K_C/VCC: C1_25.1 J25.14
/K_D/VCC: C1_18.1 J18.14
/K_E/VCC: C1_11.1 J11.14
/K_F/VCC: C1_19.1 J19.14
/K_G/VCC: C1_20.1 J20.14
/K_L1/VCC: C1_1.1 J1.14
/K_L2/VCC: C1_8.1 J8.14
/K_L3/VCC: C1_15.1 J15.14
/K_L4/VCC: C1_22.1 J22.14
/K_L6/VCC: C1_7.1 J7.14
/K_L7/VCC: C1_14.1 J14.14
/K_L8/VCC: C1_21.1 J21.14
/K_L9/VCC: C1_28.1 J28.14
